# Altium PCB spd150.PcbDoc (part 5 of 16) (continued)
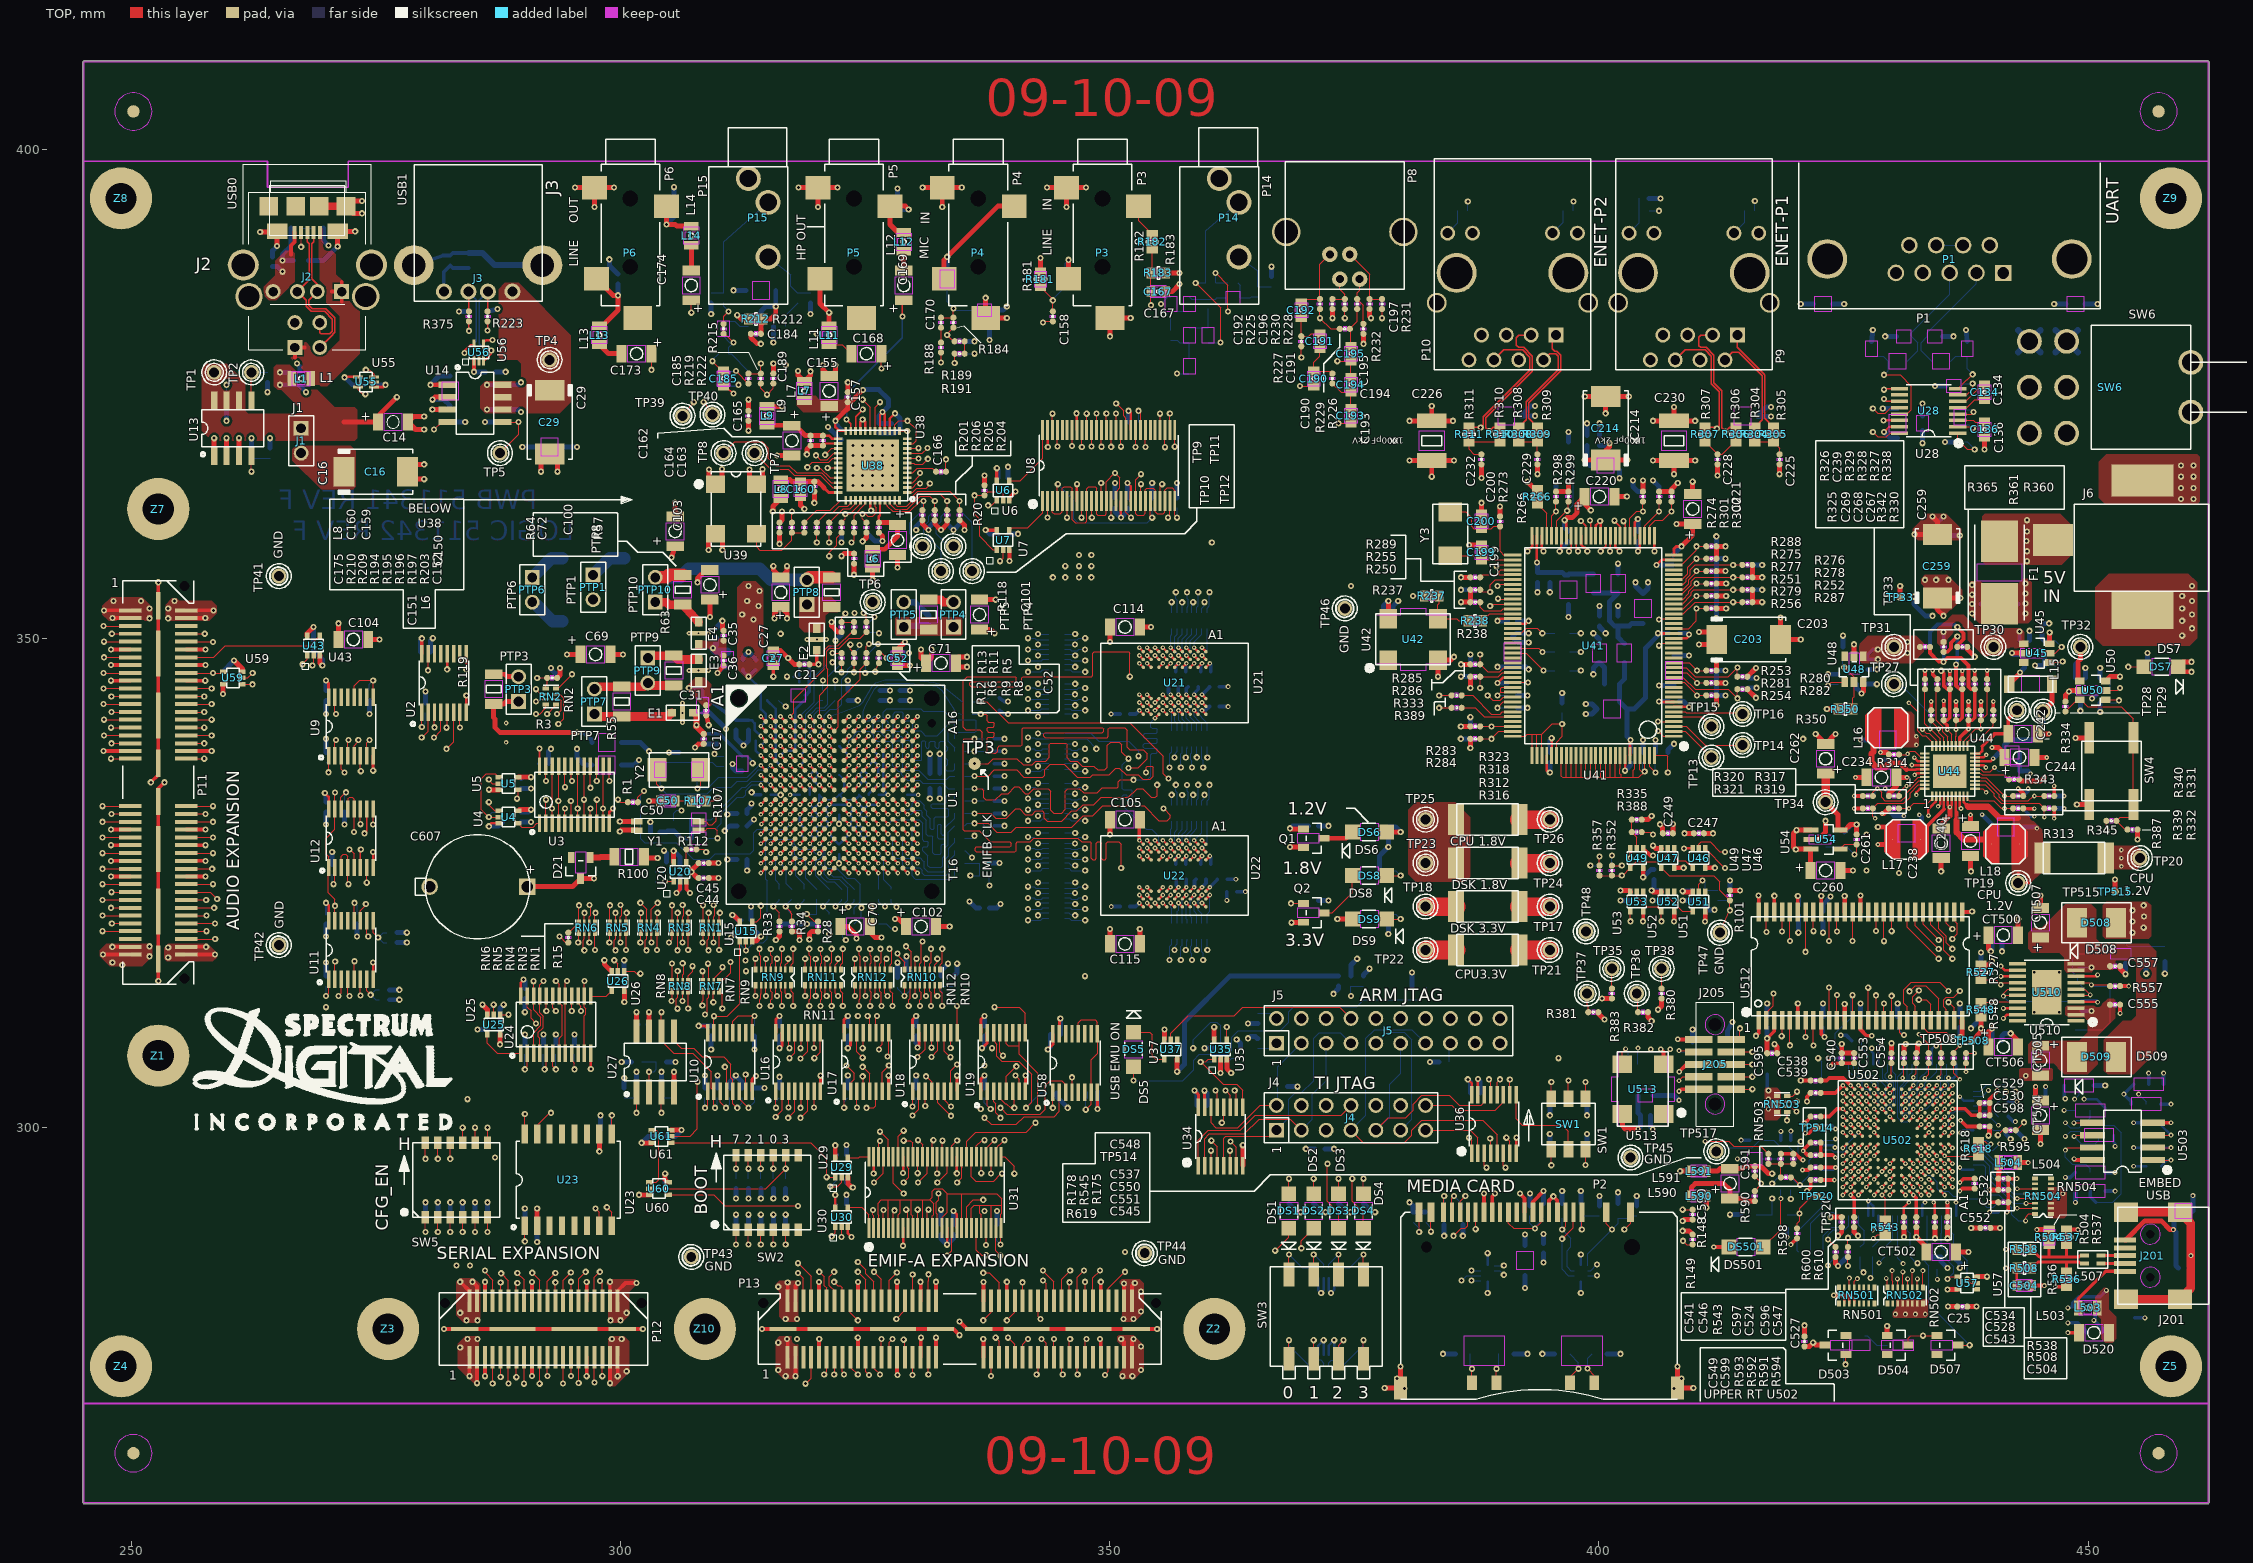
[diagram p0: TOP view]
## Nets (pads, with @x,y where several pads share a name; then routed paths per layer and width w, separated by ;. In a path a pad name is that pad's centre, name@x,y a point inside that pad or via, vN(x,y) a via of type N, cw(c..) or ccw(c..) an arc to the next point about the centre after c; other vN are vias at no path point) (continued)
  other v3: 430.301,280.924 431.317,280.924 432.333,280.924 433.349,280.924 447.421,293.243 417.322,301.879 417.322,302.895
DSK_3V3_SYS_OKAY: R353.1 R360.1 R362.1 TP32.1 U49.1 U50.1 | length 78.5
  TOP w0.381: U49.1@404.51,328.524 404.52,328.524 405.257,327.787 v1(405.511,327.787)
  TOP w0.508: R360.1@437.642,349.123 437.642,348.869 v1(438.404,348.107) ; U50.1@449.148,345.628 448.945,345.831 448.945,347.599 449.199,347.853 TP32.1@449.199,349.123
  LYR3-SIG w0.508: v1(405.511,327.787) 411.226,327.787 412.75,329.311 413.766,329.311 415.925,327.152 428.625,327.152 429.768,326.009 v1(430.657,326.009)
  LYR4-SIG w0.508: v1(430.657,326.009) 432.435,326.009 434.34,327.914 434.34,332.265 434.043,332.562 434.043,333.08 438.404,337.442 438.404,345.491 437.769,346.126 437.769,347.472 v1(438.404,348.107) 438.404,349.377 439.674,350.647 441.452,350.647 442.214,349.885 448.437,349.885 TP32.1@449.199,349.123
  BOTTOM w0.508: R362.1@437.642,349.123 437.642,348.869 v1(438.404,348.107) ; R353.1@448.691,345.948 448.691,347.345 449.199,347.853 TP32.1@449.199,349.123
DSP_EMU0: SW1.5 U1.J5 U36.4 | length 105.5
  TOP w0.127: v1(388.874,298.882) 388.93,298.826 U36.4@388.93,297.368 ; SW1.5@396.875,302.946 v1(396.875,304.8)
  TOP w0.254: v2(318.325,333.009) U1.J5@318.826,333.51
  LYR3-SIG w0.127: v1(388.874,298.882) 391.363,301.371 393.446,301.371 v1(396.875,304.8)
  LYR4-SIG w0.102: v2(318.325,333.009) 317.881,332.565 317.881,326.771 318.135,326.517 330.835,326.517
  LYR4-SIG w0.127: 330.835,326.517 332.613,326.517 334.645,324.485 334.645,323.342 335.788,322.199 336.804,322.199 357.505,301.498 362.331,301.498 366.522,297.307 387.299,297.307 v1(388.874,298.882)
DSP_EMU1: SW1.2 U36.9 | length 10.2
  TOP w0.127: U36.9@391.531,303.342 391.531,300.873 392.176,300.228 396.24,300.228 396.875,299.593 SW1.2@396.875,297.764
DSP_RTCK: R112.1 U36.12 | length 107.8
  TOP w0.127: R112.1@307.721,328.422 308.483,328.422 v1(308.737,328.168) ; U36.12@389.58,303.342 389.58,304.617 v1(389.89,304.927)
  LYR4-SIG w0.127: v1(308.737,328.168) 308.737,327.406 310.007,326.136 312.039,326.136 314.833,323.342 328.143,323.342 330.429,321.056 333.883,321.056 339.471,315.468 339.471,314.579 358.394,295.656 387.223,295.656 388.112,296.545 389.382,296.545 391.033,298.196 391.033,303.784 v1(389.89,304.927)
DSP_TCK: R107.1 R171.1 U1.H3 | length 73.3
  TOP w0.127: R107.1@308.737,333.375 309.499,333.375 v1(309.88,333.756)
  TOP w0.254: v2(316.324,335.011) U1.H3@316.824,334.51
  LYR4-SIG w0.102: 313.69,334.772 313.944,334.518 315.468,334.518 315.961,335.011 v2(316.324,335.011) 316.324,334.805 316.865,334.264 316.865,333.756 317.119,333.502 318.392,333.502 318.77,333.124 318.77,327.787 319.024,327.533 330.835,327.533
  LYR4-SIG w0.127: v1(309.88,333.756) 311.785,333.756 312.928,334.899 313.563,334.899 313.69,334.772 ; 330.835,327.533 332.359,327.533 351.79,308.102 v1(358.521,308.102)
  BOTTOM w0.127: v1(358.521,308.102) 358.521,308.991 360.299,310.769 360.934,310.769 361.315,310.388 361.315,308.737 R171.1@361.95,308.102
DSP_TDI: U1.J2 U34.4 | length 68.4
  TOP w0.127: v1(360.375,298.653) 360.375,298.628 360.99,298.013 U34.4@360.99,296.098
  TOP w0.254: v2(315.323,333.009) U1.J2@315.824,333.51
  LYR4-SIG w0.102: 315.092,325.501 314.833,325.76 314.833,332.519 v2(315.323,333.009)
  LYR4-SIG w0.127: 315.092,325.501 316.362,324.231 328.414,324.231 330.573,322.072 334.137,322.072 344.297,311.912 344.297,310.769 356.413,298.653 v1(360.375,298.653)
DSP_TDO: U1.J3 U36.7 | length 98.2
  TOP w0.127: v1(390.525,298.958) 390.881,298.602 U36.7@390.881,297.368
  TOP w0.254: v2(316.324,333.009) U1.J3@316.824,333.51
  LYR4-SIG w0.102: 315.976,325.501 315.849,325.628 315.849,332.534 v2(316.324,333.009)
  LYR4-SIG w0.127: 315.976,325.501 316.738,324.739 328.541,324.739 330.827,322.453 334.391,322.453 335.915,320.929 336.677,320.929 351.409,306.197 351.409,304.8 356.85,299.359 363.454,299.359 365.887,296.926 388.493,296.926 v1(390.525,298.958)
DSP_TMS: U1.J1 U34.7 | length 72.1
  TOP w0.127: v1(362.331,298.577) 362.941,297.967 U34.7@362.941,296.098
  TOP w0.254: v2(314.322,333.009) U1.J1@314.823,333.51
  LYR4-SIG w0.102: 313.69,326.078 314.267,325.501 ; 313.69,332.377 v2(314.322,333.009)
  LYR4-SIG w0.127: 313.69,326.078 313.69,330.327 313.055,330.962 313.055,331.742 313.69,332.377 ; 314.267,325.501 316.045,323.723 328.422,323.723 330.581,321.564 334.01,321.564 341.63,313.944 341.63,312.928 356.413,298.145 361.899,298.145 v1(362.331,298.577)
DSP_TRST#: U1.J4 U34.12 | length 64.9
  TOP w0.127: v1(361.442,300.482) 361.64,300.68 U34.12@361.64,302.072
  TOP w0.254: v2(317.325,333.009) U1.J4@317.825,333.51
  LYR4-SIG w0.102: 316.865,325.755 316.865,332.549 v2(317.325,333.009)
  LYR4-SIG w0.127: 316.865,325.755 317.373,325.247 328.668,325.247 331.14,322.776 334.703,322.776 335.915,321.564 336.804,321.564 357.886,300.482 v1(361.442,300.482)
DVDD: C78.2 C79.2 C80.2 C81.2 C82.2 C83.2 C84.2 C85.2 C86.2 C87.2 C88.2 C89.2 C90.2 C91.2 C92.2 C93.2 C94.2 C95.2 C96.2 C97.2 C98.2 C99.2 C100.1 C101.1 C102.1 C103.1 PTP1.1 R115.1 U1.B16 U1.E5 U1.E8 U1.E9 U1.E12 U1.F5 U1.F11 U1.F12 U1.G5 U1.G12 U1.K5 U1.K12 U1.L5 U1.L11 U1.L12 U1.M5 U1.M8 U1.M9 U1.M12 U1.R1 U1.R16 | length 53.6
  TOP w0.254: v2(314.322,327.005) U1.R1@314.823,327.505 ; v2(318.325,330.007) U1.M5@318.826,330.507 ; v2(318.325,331.008) U1.L5@318.826,331.508 ; v2(318.325,332.008) U1.K5@318.826,332.509 ; v2(318.325,336.012) U1.G5@318.826,335.511 ; v2(318.325,337.012) U1.F5@318.826,336.512 ; v2(318.325,338.013) U1.E5@318.826,337.513 ; v2(321.328,330.007) U1.M8@321.828,330.507 ; v2(321.328,338.013) U1.E8@321.828,337.513 ; U1.M9@322.829,330.507 v2(323.329,330.007) ; U1.E9@322.829,337.513 v2(323.329,338.013) ; U1.L11@324.83,331.508 v2(325.331,331.008) ; U1.F11@324.83,336.512 v2(325.331,337.012) ; U1.M12@325.831,330.507 v2(326.332,330.007) ; U1.L12@325.831,331.508 v2(326.332,331.008) ; U1.K12@325.831,332.509 v2(326.332,332.008) ; U1.G12@325.831,335.511 v2(326.332,336.012) ; U1.F12@325.831,336.512 v2(326.332,337.012) ; U1.E12@325.831,337.513 v2(326.332,338.013) ; U1.R16@329.834,327.505 v2(330.335,327.005) ; U1.B16@329.834,340.515 330.258,340.939 v2(330.258,341.015)
  TOP w0.508: v1(305.181,358.267) C103.1@305.562,359.41 ; v1(315.722,352.044) 315.722,352.552 C100.1@316.357,353.187 316.992,352.552 v1(316.992,352.044) ; v1(328.041,321.31) 328.422,321.31 C102.1@329.184,320.548 ; C101.1@336.677,350.901 337.82,350.901 v1(338.201,350.52)
  LYR9-PLN w0.635: 296.164,356.489 PTP1.1@297.18,356.489 ; 297.18,355.473 PTP1.1@297.18,356.489 ; 297.18,357.505 PTP1.1@297.18,356.489 ; 298.196,356.489 PTP1.1@297.18,356.489
  BOTTOM w0.254: C88.2@315.341,334.01 v1(316.357,334.01) ; v2(318.325,332.008) v2(318.325,331.008) 318.821,330.512 C96.2@318.821,330.505 318.821,330.502 v2(318.325,330.007) 318.818,329.514 C89.2@318.821,329.514 ; v2(318.325,337.012) 318.325,337.02 C97.2@318.821,337.515 ; v2(318.325,338.013) 318.328,338.013 C90.2@318.821,338.506 ; C86.2@321.818,330.505 321.818,330.497 v2(321.328,330.007) 321.328,329.928 C98.2@322.326,328.93 323.329,329.933 v2(323.329,330.007) 322.834,330.502 C83.2@322.834,330.505 ; C92.2@322.326,338.963 322.379,338.963 v2(323.329,338.013) ; v2(325.331,337.012) 325.354,337.012 C85.2@325.857,337.515 ; C91.2@325.831,338.531 325.831,338.513 v2(326.332,338.013) 325.857,337.538 C85.2@325.857,337.515 ; v2(326.332,336.012) v2(326.332,337.012) 325.857,337.487 C85.2@325.857,337.515
  BOTTOM w0.508: v1(312.928,326.263) C81.2@312.928,327.406 ; C94.2@312.928,330.835 313.563,331.47 v1(313.639,331.47) ; C99.2@323.215,343.662 v1(324.231,343.662) ; C79.2@326.517,343.662 v1(327.533,343.662) ; C78.2@328.549,343.662 v1(329.565,343.662) ; C84.2@331.597,336.169 C82.2@331.597,337.185 v1(331.597,338.201) ; v1(335.661,323.088) 336.296,322.453 C93.2@336.677,322.453
  BOTTOM w1.27: PTP1.1@297.18,356.489 298.894,358.203 R115.1@300.355,358.203
DX0: JP507.1 RN502.14 U502.E7 | length 41.1
  TOP w0.127: v3(430.502,284.533) 430.545,284.49 RN502.14@430.545,283.642
  TOP w0.254: U502.E7@430.931,296.702 v2(431.33,296.301)
  LYR3-SIG w0.102: v2(431.33,296.301) 431.571,296.301 432.778,297.508 438.224,297.508 438.277,297.561
  LYR3-SIG w0.127: 438.277,297.561 441.579,297.561 442.722,298.704 442.722,298.958 444.69,300.926 447.993,300.926 449.58,302.514 v3(449.58,302.895)
  LYR4-SIG w0.102: 428.688,290.957 428.688,291.274 430.149,292.735 430.149,295.12 v2(431.33,296.301)
  LYR4-SIG w0.127: 428.688,290.957 428.688,288.353 428.117,287.782 428.117,285.115 429.095,284.137 430.106,284.137 v3(430.502,284.533)
  BOTTOM w0.254: v3(449.58,302.895) 450.85,302.895 451.739,302.006 JP507.1@451.739,301.752
ECLKIN: R543.2 RN504.16 U511.47 | length 27.1
  TOP w0.127: v3(428.041,288.671) 428.422,289.052 R543.2@429.26,289.052 ; v3(443.611,290.449) 443.611,290.83 443.951,291.17 RN504.16@444.576,291.17
  LYR3-SIG w0.127: v3(428.041,288.671) 428.879,289.509 436.753,289.509 437.083,289.179 442.341,289.179 v3(443.611,290.449)
  BOTTOM w0.127: U511.47@438.277,294.201 439.237,294.201 439.433,294.005 439.433,293.418 439.722,293.129 440.87,293.129 442.214,291.785 442.214,291.084 442.849,290.449 v3(443.611,290.449)
EMIFA_A0: P13.55 RN9.11 | length 68.1
  TOP w0.127: v1(314.848,313.451) RN9.11@314.848,314.528 ; v1(342.519,274.752) 342.671,274.904 P13.55@342.671,276.53
  LYR8-SIG w0.127: v1(314.848,313.451) 314.833,313.436 314.833,311.721 317.64,308.915 334.193,308.915 336.169,306.939 336.169,305.562 339.344,302.387 339.344,299.55 338.709,298.915 338.709,298.493 339.471,297.731 339.471,295.064 337.65,293.243 336.974,293.243 336.55,292.819 336.55,277.368 339.166,274.752 v1(342.519,274.752)
EMIFA_A1: RN9.12 U31.21 | length 48
  TOP w0.127: v1(315.341,312.417) 315.346,313.06 315.468,313.182 315.468,313.822 315.346,313.944 RN9.12@315.346,314.528 ; U31.21@335.354,289.738 335.354,291.92 336.042,292.608 v1(337.058,292.608)
  LYR8-SIG w0.127: v1(315.341,312.417) 315.341,311.574 317.721,309.194 334.34,309.194 336.321,307.213 337.185,307.213 339.725,304.673 339.725,294.64 337.693,292.608 v1(337.058,292.608)
EMIFA_A2: RN9.13 U31.23 | length 52.6
  TOP w0.127: RN9.13@315.844,314.528 315.844,313.568 v1(315.976,313.436) ; U31.23@336.354,289.738 336.354,287.47 336.88,286.944 v1(337.363,286.944)
  LYR8-SIG w0.127: v1(315.976,313.436) 315.976,312.209 316.273,311.912 316.441,311.912 318.854,309.499 334.645,309.499 336.613,307.53 337.375,307.53 340.741,304.165 340.741,291.211 338.328,288.798 338.328,287.909 v1(337.363,286.944)
EMIFA_A3: P13.62 RN9.14 | length 74.9
  TOP w0.127: RN9.14@316.342,314.528 316.342,313.944 316.484,313.802 v1(316.484,312.42) ; P13.62@345.059,282.27 345.059,284.48 v1(345.948,285.369)
  LYR8-SIG w0.127: v1(316.484,312.42) 316.484,313.52 318.94,315.976 339.344,315.976 350.647,304.673 350.647,284.099 349.631,283.083 346.245,283.083 345.364,283.964 345.364,284.785 v1(345.948,285.369)
EMIFA_A4: P13.59 RN9.15 | length 60
  TOP w0.127: RN9.15@316.84,314.528 316.84,313.715 v1(317.119,313.436) ; P13.59@344.272,276.53 344.272,278.359 v1(344.297,278.384)
  LYR8-SIG w0.127: v1(317.119,313.436) 317.119,312.209 319.448,309.88 337.523,309.88 343.408,303.995 343.408,301.688 343.662,301.435 343.662,279.019 v1(344.297,278.384)
EMIFA_A5: P13.64 RN9.16 | length 68.4
  TOP w0.127: RN9.16@317.414,314.528 317.414,313.944 317.627,313.731 v1(317.627,312.42) ; P13.64@345.872,282.27 v1(345.872,284.175)
  LYR8-SIG w0.127: v1(317.627,312.42) 317.627,312.925 320.297,315.595 339.217,315.595 350.266,304.546 350.266,284.226 349.377,283.337 346.71,283.337 v1(345.872,284.175)
EMIFA_A6: P13.61 RN11.9 | length 62.4
  TOP w0.127: v1(318.856,313.436) RN11.9@318.856,314.528 ; P13.61@345.059,276.53 345.059,274.879 v1(345.186,274.752)
  LYR8-SIG w0.127: v1(318.856,313.436) 318.77,313.35 318.77,312.209 320.794,310.185 337.579,310.185 343.662,304.101 343.662,301.795 344.043,301.414 344.043,279.908 345.186,278.765 v1(345.186,274.752)
EMIFA_A7: P13.66 RN11.10 | length 67.3
  TOP w0.127: v1(319.278,312.42) 319.278,313.052 319.42,313.195 319.42,313.662 319.43,313.672 RN11.10@319.43,314.528 ; P13.66@346.659,282.27 346.659,284.683 v1(347.345,285.369)
  LYR8-SIG w0.127: v1(319.278,312.42) 319.405,312.547 319.405,313.647 320.972,315.214 339.09,315.214 349.885,304.419 349.885,284.32 349.283,283.718 347.261,283.718 346.964,284.015 346.964,284.988 v1(347.345,285.369)
EMIFA_A8: P13.63 RN11.11 | length 58.4
  TOP w0.127: v1(319.928,313.451) RN11.11@319.928,314.528 ; P13.63@345.872,276.53 345.872,278.308 v1(345.948,278.384)
  LYR8-SIG w0.127: v1(319.928,313.451) 319.913,313.436 319.913,312.207 321.605,310.515 337.609,310.515 344.373,303.751 344.373,302.522 344.678,302.217 344.678,301.795 344.424,301.541 344.424,279.908 v1(345.948,278.384)
EMIFA_A9: P13.68 RN11.12 | length 60.8
  TOP w0.127: v1(320.421,312.417) 320.426,313.06 320.548,313.182 320.548,313.822 320.426,313.944 RN11.12@320.426,314.528 ; P13.68@347.472,282.27 v1(347.472,284.226)
  LYR8-SIG w0.127: v1(320.421,312.417) 320.548,312.544 320.548,313.647 321.734,314.833 339.016,314.833 349.504,304.345 349.504,285.158 349.08,284.734 347.98,284.734 v1(347.472,284.226)
EMIFA_A10: P13.65 RN11.13 | length 61.3
  TOP w0.127: RN11.13@320.924,314.528 320.924,313.568 v1(321.056,313.436) ; P13.65@346.659,276.53 346.659,274.803 v1(346.71,274.752)
  LYR8-SIG w0.127: v1(321.056,313.436) 321.056,312.209 322.369,310.896 337.589,310.896 344.678,303.807 344.678,302.577 344.932,302.323 344.932,301.688 344.805,301.561 344.805,282.651 346.71,280.746 v1(346.71,274.752)
EMIFA_A11: P13.70 RN11.14 | length 57.9
  TOP w0.127: RN11.14@321.422,314.528 321.422,313.944 321.564,313.802 v1(321.564,312.42) ; P13.70@348.259,282.27 348.259,284.632 v1(348.996,285.369)
  LYR8-SIG w0.127: v1(321.564,312.42) 321.564,313.52 322.496,314.452 338.91,314.452 348.996,304.366 348.996,302.45 349.24,302.207 349.24,301.668 348.996,301.424 v1(348.996,285.369)
EMIFA_A12: P13.67 RN11.15 | length 57.2
  TOP w0.127: RN11.15@321.92,314.528 321.92,313.715 v1(322.199,313.436) ; P13.67@347.472,276.53 347.472,278.257 v1(347.599,278.384)
  LYR8-SIG w0.127: v1(322.199,313.436) 322.722,313.959 335.349,313.959 345.186,304.122 345.186,301.582 345.11,301.506 345.11,283.667 347.599,281.178 v1(347.599,278.384)
EMIFA_BA0: P13.56 RN9.9 | length 69
  TOP w0.127: v1(313.776,313.436) RN9.9@313.776,314.528 ; P13.56@342.671,282.27 342.671,280.645 v1(342.9,280.416)
  LYR4-SIG w0.127: v1(313.776,313.436) 313.944,313.436 314.833,312.547 314.833,309.88 315.595,309.118 315.595,303.022 315.29,302.717 315.29,300.025 316.103,299.212 316.103,287.02 315.595,286.512 315.595,283.507 316.7,282.402 319.603,282.402 327.939,274.066 329.946,274.066 330.581,274.701 330.581,275.844 331.343,276.606 339.09,276.606 v1(342.9,280.416)
EMIFA_BA1: P13.58 RN9.10 | length 77.8
  TOP w0.127: v1(314.198,312.42) 314.198,313.052 314.34,313.195 314.34,313.662 314.35,313.672 RN9.10@314.35,314.528 ; v1(343.154,284.353) 343.484,284.023 P13.58@343.484,282.27
  LYR4-SIG w0.127: v1(314.198,312.42) 314.198,310.007 315.341,308.864 315.341,303.403 315.036,303.098 315.036,283.515 316.738,281.813 319.278,281.813 326.009,275.082 326.009,274.447 326.771,273.685 330.327,273.685 330.937,274.295 330.937,275.331 331.45,275.844 343.027,275.844 344.805,277.622 344.805,282.702 v1(343.154,284.353)
EMIFA_CLK: R78.2 U19.7 | length 26.6
  TOP w0.127: v1(340.36,305.308) 340.716,304.952 U19.7@340.716,303.718
  LYR4-SIG w0.127: v1(328.041,320.294) 328.676,319.659 332.613,319.659 341.122,311.15 341.122,306.07 v1(340.36,305.308)
  BOTTOM w0.127: R78.2@326.39,320.802 327.152,320.802 327.66,320.294 v1(328.041,320.294)
EMIFA_CS0N: R69.2 U19.9 | length 29.3
  TOP w0.127: v1(338.201,312.293) 340.741,312.293 341.366,311.668 U19.9@341.366,309.692
  LYR4-SIG w0.127: v1(323.266,322.555) 323.266,319.71 323.596,319.38 323.596,318.559 323.266,318.229 323.266,316.814 324.231,315.849 334.645,315.849 v1(338.201,312.293)
  BOTTOM w0.127: v1(323.266,322.555) 323.85,323.139 R69.2@323.85,323.342
EMIFA_CS2N: P13.49 U15.4 | length 69
  TOP w0.127: U15.4@313.451,321.031 313.919,321.031 314.325,321.437 v1(314.325,322.656) ; v1(339.598,278.511) 340.284,277.825 P13.49@340.284,276.53
  LYR4-SIG w0.127: v1(314.325,322.656) 314.757,323.088 317.119,323.088 317.627,322.58 317.627,319.024 318.262,318.389 318.262,317.119 320.675,314.706 333.248,314.706 335.153,312.801 335.153,287.292 336.796,285.648 337.269,285.648 338.328,284.589 338.328,279.781 v1(339.598,278.511)
EMIFA_CS3N: R75.2 U58.4 | length 40.9
  TOP w0.127: U58.4@346.131,303.591 v1(346.131,305.125)
  LYR3-SIG w0.127: v1(337.185,306.324) 339.344,304.165 343.281,304.165 344.241,305.125 v1(346.131,305.125)
  LYR4-SIG w0.127: v1(321.945,322.58) 321.945,319.024 322.199,318.77 322.199,317.965 322.707,317.457 322.707,316.738 323.977,315.468 333.375,315.468 336.296,312.547 336.296,307.213 v1(337.185,306.324)
  BOTTOM w0.127: v1(321.945,322.58) 322.58,323.215 R75.2@322.58,323.342
EMIFA_CS4N: R76.2 U31.25 | length 67
  TOP w0.127: v1(337.353,287.995) U31.25@337.353,289.738
  LYR3-SIG w0.127: v1(337.353,287.995) 337.947,287.401 351.409,287.401 v1(351.536,287.274)
  LYR8-SIG w0.127: v1(336.169,329.819) 337.464,329.819 339.598,327.685 339.598,318.643 351.028,307.213 351.028,287.782 v1(351.536,287.274)
  BOTTOM w0.127: R76.2@335.153,329.565 335.915,329.565 v1(336.169,329.819)
EMIFA_CS5N: R77.2 U31.27 | length 54.8
  TOP w0.127: U31.27@338.353,289.738 338.328,289.712 338.328,287.401 v1(338.836,286.893)
  LYR4-SIG w0.127: v1(324.612,322.453) 324.612,318.727 324.866,318.473 324.866,318.097 325.628,317.335 325.628,316.608 326.133,316.103 335.407,316.103 339.725,311.785 339.725,305.562 336.232,302.07 336.232,294.577 337.82,292.989 337.82,288.925 338.074,288.671 338.074,287.655 v1(338.836,286.893)
  BOTTOM w0.127: R77.2@323.85,320.802 324.612,321.564 v1(324.612,322.453)
EMIFA_D0: R67.2 R68.2 RN10.1 U31.2 | length 28.5
  TOP w0.127: v1(325.78,291.567) 325.78,291.084 325.857,291.008 U31.2@325.857,289.738 ; v1(329.016,313.436) RN10.1@329.016,314.528
  LYR4-SIG w0.127: v1(325.78,291.567) 325.78,293.522 327.279,295.021 327.279,302.514 328.041,303.276 328.041,311.531 328.422,311.912 328.422,312.842 v1(329.016,313.436)
  BOTTOM w0.127: R67.2@328.295,314.325 328.295,314.157 v1(329.016,313.436) 329.565,313.985 R68.2@329.565,314.325
EMIFA_D1: RN10.2 U31.4 | length 25.9
  TOP w0.127: U31.4@326.857,289.738 v1(326.857,291.551) ; v1(329.438,312.42) 329.438,313.052 329.58,313.195 329.58,313.662 329.59,313.672 RN10.2@329.59,314.528
  LYR4-SIG w0.127: v1(326.857,291.551) 327.66,292.354 327.66,302.006 328.295,302.641 328.295,311.277 v1(329.438,312.42)
EMIFA_D2: RN10.3 U31.6 | length 25.7
  TOP w0.127: U31.6@327.856,289.738 327.856,291.407 v1(327.983,291.534) ; v1(330.088,313.451) RN10.3@330.088,314.528
  LYR4-SIG w0.127: v1(327.983,291.534) 327.983,300.932 328.549,301.498 328.549,310.769 330.073,312.293 330.073,313.436 v1(330.088,313.451)
EMIFA_D3: RN10.4 U31.9 | length 26.5
  TOP w0.127: v1(329.184,291.592) 329.357,291.419 U31.9@329.357,289.738 ; v1(330.581,312.417) 330.586,313.06 330.708,313.182 330.708,313.822 330.586,313.944 RN10.4@330.586,314.528
  LYR4-SIG w0.127: v1(329.184,291.592) 328.295,292.481 328.295,300.482 328.803,300.99 328.803,309.118 330.835,311.15 330.835,311.785 330.581,312.039 v1(330.581,312.417)
EMIFA_D4: RN10.5 U31.11 | length 25.7
  TOP w0.127: U31.11@330.355,289.738 v1(330.355,291.592) ; RN10.5@331.084,314.528 331.084,313.568 v1(331.216,313.436)
  LYR4-SIG w0.127: v1(330.355,291.592) 330.355,292.89 331.089,293.624 331.089,300.99 331.724,301.625 331.724,306.324 331.089,306.959 331.089,313.309 v1(331.216,313.436)
EMIFA_D5: RN10.6 U31.13 | length 25.5
  TOP w0.127: U31.13@331.356,289.738 331.356,291.478 v1(331.47,291.592) ; RN10.6@331.582,314.528 331.582,313.944 331.724,313.802 v1(331.724,312.42)
  LYR4-SIG w0.127: v1(331.47,291.592) 331.445,291.617 331.445,299.695 332.288,300.538 332.288,311.856 v1(331.724,312.42)
EMIFA_D6: RN10.7 U31.15 | length 26
  TOP w0.127: RN10.7@332.08,314.528 332.08,313.715 v1(332.359,313.436) ; U31.15@332.354,289.738 332.354,291.132 332.232,291.254 332.232,292.354 332.486,292.608 v1(332.486,293.243)
  LYR4-SIG w0.127: v1(332.359,313.436) 332.359,312.166 332.74,311.785 332.74,299.847 333.502,299.085 333.502,294.259 v1(332.486,293.243)
EMIFA_D7: R70.1 R71.1 RN10.8 U31.18 | length 35.2
  TOP w0.127: RN10.8@332.654,314.528 332.654,313.944 332.867,313.731 v1(332.867,312.42) ; v1(333.375,286.893) 333.863,287.381 333.863,288.226 333.855,288.234 U31.18@333.855,289.738
  LYR4-SIG w0.127: v1(332.867,312.42) 332.994,312.293 332.994,301.117 333.756,300.355 333.756,293.37 333.375,292.989 333.375,289.814 334.01,289.179 334.01,287.528 v1(333.375,286.893)
  BOTTOM w0.127: v1(332.867,312.42) 332.867,313.817 332.74,313.944 R70.1@332.74,314.452 R71.1@334.01,314.452
EMIFA_D8: RN12.1 U16.4 | length 19.9
  TOP w0.127: v1(317.119,300.99) 317.81,301.681 U16.4@317.81,303.718 ; v1(323.936,313.436) RN12.1@323.936,314.528
  LYR4-SIG w0.127: v1(317.119,300.99) 317.754,301.625 317.754,304.419 319.151,305.816 319.151,308.356 322.072,311.277 322.072,312.547 322.961,313.436 v1(323.936,313.436)
EMIFA_D9: RN12.2 U16.7 | length 16.2
  TOP w0.127: v1(319.761,302.031) U16.7@319.761,303.718 ; v1(324.358,312.42) 324.358,313.052 324.5,313.195 324.5,313.662 324.51,313.672 RN12.2@324.51,314.528
  LYR4-SIG w0.127: v1(319.761,302.031) 321.056,303.327 321.056,307.213 323.723,309.88 323.723,311.785 v1(324.358,312.42)
EMIFA_D10: RN12.3 U16.9 | length 12.8
  TOP w0.127: v1(319.786,307.086) 320.411,307.711 U16.9@320.411,309.692 ; v1(325.008,313.451) RN12.3@325.008,314.528
  LYR4-SIG w0.127: v1(319.786,307.086) 322.58,309.88 322.58,311.531 323.596,312.547 323.766,312.547 324.274,313.055 324.612,313.055 v1(325.008,313.451)
EMIFA_D11: RN12.4 U16.12 | length 16.9
  TOP w0.127: v1(318.389,308.102) 318.46,308.173 U16.12@318.46,309.692 ; v1(325.501,312.417) 325.506,313.06 325.628,313.182 325.628,313.822 325.506,313.944 RN12.4@325.506,314.528
  LYR4-SIG w0.127: v1(318.389,308.102) 319.913,309.626 319.913,312.674 320.548,313.309 320.548,313.69 320.929,314.071 325.247,314.071 325.516,313.802 325.516,312.433 v1(325.501,312.417)
EMIFA_D12: RN12.5 U18.4 | length 13.2
  TOP w0.127: RN12.5@326.004,314.528 326.004,313.568 v1(326.136,313.436) ; v1(331.216,305.232) 331.78,304.668 U18.4@331.78,303.718
  LYR3-SIG w0.127: v1(326.136,313.436) 326.136,312.191 329.057,309.27 329.057,307.391 v1(331.216,305.232)
EMIFA_D13: RN12.6 U18.7 | length 16.2
  TOP w0.127: RN12.6@326.502,314.528 326.502,313.944 326.644,313.802 v1(326.644,312.42) ; U18.7@333.731,303.718 333.731,305.791 v1(334.391,306.451)
  LYR3-SIG w0.127: v1(326.644,312.42) 329.715,309.349 330.096,309.349 330.962,308.483 330.962,307.086 331.597,306.451 v1(334.391,306.451)
EMIFA_D14: RN12.7 U18.9 | length 12
  TOP w0.127: RN12.7@327,314.528 327,313.715 v1(327.279,313.436) ; U18.9@334.381,309.692 v1(334.381,312.41)
  LYR4-SIG w0.127: v1(327.279,313.436) 327.914,314.071 332.72,314.071 v1(334.381,312.41)
EMIFA_D15: RN12.8 U18.12 | length 11.8
  TOP w0.127: RN12.8@327.574,314.528 327.574,313.944 327.787,313.731 v1(327.787,312.42) ; v1(331.775,307.213) 332.43,307.868 U18.12@332.43,309.692
  LYR3-SIG w0.127: v1(327.787,312.42) 331.216,308.991 331.216,307.772 v1(331.775,307.213)
EMIFA_OEN: R80.2 U17.12 | length 12.9
  TOP w0.127: v1(325.247,311.404) 325.445,311.206 U17.12@325.445,309.692
  LYR7-SIG w0.127: v1(323.012,319.151) 323.342,318.821 323.342,316.357 325.628,314.071 325.628,313.182 326.009,312.801 326.009,312.166 v1(325.247,311.404)
  BOTTOM w0.127: R80.2@322.58,320.802 322.58,320.675 322.707,320.548 322.707,319.456 v1(323.012,319.151)
EMIFA_SDCKE: P13.37 R79.2 | length 82.1
  TOP w0.127: v1(331.445,274.752) P13.37@331.445,276.53
  LYR4-SIG w0.127: v1(327.025,322.58) 327.787,321.818 328.803,321.818 329.946,320.675 332.74,320.675 350.139,303.276 350.139,274.447 349.631,273.939 332.257,273.939 v1(331.445,274.752)
  BOTTOM w0.127: R79.2@326.39,323.342 326.39,323.088 326.898,322.58 v1(327.025,322.58)
EMIFA_WAIT0: P13.50 R65.2 R66.2 | length 60.5
  TOP w0.127: v1(339.471,280.289) 340.284,281.102 P13.50@340.284,282.27
  LYR4-SIG w0.127: v1(320.675,322.58) 320.675,319.532 321.056,319.151 321.056,317.965 321.564,317.457 321.564,316.992 323.469,315.087 333.375,315.087 335.47,312.991 335.47,287.464 336.931,286.004 337.439,286.004 338.836,284.607 338.836,280.924 v1(339.471,280.289)
  BOTTOM w0.127: R65.2@321.31,321.818 321.31,321.945 v1(320.675,322.58) 321.31,323.215 R66.2@321.31,323.342
EMIFA_WEN: R81.2 R82.2 R85.1 U17.9 | length 28.2
  TOP w0.127: v1(327.279,307.264) 327.396,307.381 U17.9@327.396,309.692
  LYR7-SIG w0.127: v1(327.279,307.264) 327.279,307.34 329.692,309.753 329.692,311.785 330.073,312.166 330.073,312.674 330.606,313.207 330.606,314.731 331.749,315.874 331.749,317.398 332.232,317.881 332.232,322.199 335.737,325.704 v1(335.737,325.755)
  BOTTOM w0.127: R82.2@335.153,327.025 R85.1@336.677,327.025 R81.2@336.677,325.755 v1(335.737,325.755)
EMIFA_WEN_DQM0: R86.2 U17.4 | length 31.7
  TOP w0.127: v1(324.739,305.232) 324.739,305.181 324.795,305.125 U17.4@324.795,303.718
  LYR7-SIG w0.127: v1(324.739,305.232) 325.323,305.816 327.617,305.816 328.676,306.875 328.676,307.34 333.375,312.039 333.375,315.595 332.867,316.103 332.867,316.992 336.296,320.421 336.296,327.203 v1(335.915,327.584)
  BOTTOM w0.127: R86.2@335.153,328.295 335.204,328.295 v1(335.915,327.584)
EMIFA_WEN_DQM1: R87.2 U17.7 | length 22.3
  TOP w0.127: U17.7@326.746,303.718 326.746,305.664 v1(327.406,306.324)
  LYR7-SIG w0.127: v1(327.406,306.324) 326.771,306.959 326.771,307.518 328.295,309.042 328.295,314.071 329.717,315.493 329.717,321.031 v1(328.193,322.555)
  BOTTOM w0.127: R87.2@327.66,323.342 327.66,322.961 328.066,322.555 v1(328.193,322.555)
EMIFB_A0: RN14.6 U21.H7 U22.H7 | length 54.7
  TOP w0.254: v2(353.817,324.556) U22.H7@354.218,324.155 ; v2(353.817,344.241) U21.H7@354.218,343.84
  LYR4-SIG w0.102: v2(353.817,344.241) 354.211,343.847 354.211,343.281 354.457,343.035 354.782,343.035 355.011,342.806 355.011,342.489 355.473,342.026 355.473,341.63
  LYR4-SIG w0.127: v1(347.475,337.566) 347.983,337.058 347.983,337.055 348.615,336.423 348.615,335.026 348.869,334.772 351.663,334.772 351.917,335.026 351.917,335.915 352.552,336.55 352.552,337.185 352.806,337.439 355.092,337.439 355.473,337.82 355.473,340.309 355.346,340.436 355.092,340.436 354.965,340.309 354.965,338.201 354.838,338.074 354.584,338.074 354.457,338.201 354.457,340.817 354.584,340.944 355.346,340.944 355.473,341.071 355.473,341.63
  LYR7-SIG w0.102: 352.425,329.819 353.169,329.819 353.423,329.565 353.423,327.152 353.695,326.88 353.695,326.263 353.423,325.991 353.423,325.628 353.817,325.234 v2(353.817,324.556)
  LYR7-SIG w0.127: v1(347.475,337.566) 347.98,337.566 348.869,336.677 348.869,333.629 349.123,333.375 350.139,333.375 350.523,332.991 350.523,332.296 350.396,332.168 349.885,332.168 349.758,332.041 349.758,331.787 349.885,331.661 350.396,331.661 350.523,331.534 350.523,331.279 350.396,331.152 349.885,331.152 349.758,331.025 349.758,330.772 349.885,330.644 350.396,330.644 350.523,330.517 350.523,329.735 350.52,329.733 350.52,329.057 350.901,328.676 350.901,327.279 351.155,327.025 351.79,327.025 352.044,327.279 352.044,329.565 352.298,329.819 352.425,329.819
  BOTTOM w0.127: RN14.6@345.366,337.708 345.951,337.708 346.093,337.566 v1(347.475,337.566)

## Text inside footprints (layer, text, board x,y; h text height)
R171: PIN_NUMBER "2" at 361.747,309.118 h0.51 r270; PIN_NUMBER "1" at 361.747,308.102 h0.51 r270; ASSEMBLY_BOTTOM "33" at 361.95,308.61 h0.64 r270; ASSEMBLY_BOTTOM "TOLERANCE" at 359.41,308.61 h0.64 r270; ASSEMBLY_BOTTOM "USERPART#" at 358.14,308.61 h0.64 r270; SYMBOL_PART_DIM "PAD 35X32 OV" at 357.175,305.486 h0.64 r270; SYMBOL_PART_DIM "C402-35X32" at 358.445,305.486 h0.64 r270; SYMBOL_PART_DIM "0" at 359.816,308.407 h0.64 r270; SYMBOL_PART_DIM "0" at 361.62,306.273 h0.64 r270
R172: PIN_NUMBER "2" at 415.646,291.084 h1.02 r180; PIN_NUMBER "1" at 414.122,291.084 h1.02 r180; SYMB_DIM "0" at 411.607,291.592 h1.02 r180; SYMB_DIM "0" at 414.782,294.64 h1.02 r180; SYMB_DIM "R603-35X45" at 409.956,286.258 h1.02 r180; SYMB_DIM "SP  35X45OV" at 419.989,292.481 h1.02 r180; SYMB_DIM "SM  43X53OV" at 419.989,290.703 h1.02 r180; SYMB_DIM "PAD 35X45OV" at 419.989,289.179 h1.02 r180; ASSEMBLY_BOTTOM "X" at 416.306,291.465 h1.02 r180; ASSEMBLY_BOTTOM "X" at 415.417,291.465 h1.02 r180; ASSEMBLY_BOTTOM "1.5K" at 414.655,291.465 h1.02 r180
R173: PIN_NUMBER "2" at 381.991,314.325 h1.02 r180; PIN_NUMBER "1" at 380.467,314.325 h1.02 r180; SYMB_DIM "0" at 377.952,314.833 h1.02 r180; SYMB_DIM "0" at 381.127,317.881 h1.02 r180; SYMB_DIM "R603-35X45" at 376.301,309.499 h1.02 r180; SYMB_DIM "SP  35X45OV" at 386.334,315.722 h1.02 r180; SYMB_DIM "SM  43X53OV" at 386.334,313.944 h1.02 r180; SYMB_DIM "PAD 35X45OV" at 386.334,312.42 h1.02 r180; ASSEMBLY_BOTTOM "X" at 382.651,314.706 h1.02 r180; ASSEMBLY_BOTTOM "X" at 381.762,314.706 h1.02 r180; ASSEMBLY_BOTTOM "150" at 381,314.706 h1.02 r180
R174: PIN_NUMBER "1" at 374.447,314.452 h0.51 r270; PIN_NUMBER "2" at 374.447,315.468 h0.51 r270; ASSEMBLY_BOTTOM "10K" at 374.65,314.96 h0.64 r270; ASSEMBLY_BOTTOM "TOLERANCE" at 372.11,314.96 h0.64 r270; ASSEMBLY_BOTTOM "USERPART#" at 370.84,314.96 h0.64 r270; SYMBOL_PART_DIM "PAD 35X32 OV" at 369.875,311.836 h0.64 r270; SYMBOL_PART_DIM "C402-35X32" at 371.145,311.836 h0.64 r270; SYMBOL_PART_DIM "0" at 372.516,314.757 h0.64 r270; SYMBOL_PART_DIM "0" at 374.32,312.623 h0.64 r270
R175: PIN_NUMBER "1" at 419.659,296.291 h0.51 r90; PIN_NUMBER "2" at 419.659,297.307 h0.51 r90; ASSEMBLY_TOP "10K" at 419.862,296.799 h0.64 r90; ASSEMBLY_TOP "TOLERANCE" at 422.402,296.799 h0.64 r90; ASSEMBLY_TOP "USERPART#" at 423.672,296.799 h0.64 r90; SYMBOL_PART_DIM "PAD 35X32 OV" at 424.637,293.675 h0.64 r90; SYMBOL_PART_DIM "C402-35X32" at 423.367,293.675 h0.64 r90; SYMBOL_PART_DIM "0" at 421.996,296.596 h0.64 r90; SYMBOL_PART_DIM "0" at 420.192,294.462 h0.64 r90
R176: PIN_NUMBER "1" at 364.922,311.658 h0.51 r90; PIN_NUMBER "2" at 364.922,310.642 h0.51 r90; ASSEMBLY_BOTTOM "0" at 365.125,311.15 h0.64 r90; ASSEMBLY_BOTTOM "TOLERANCE" at 367.665,311.15 h0.64 r90; ASSEMBLY_BOTTOM "USERPART#" at 368.935,311.15 h0.64 r90; SYMBOL_PART_DIM "PAD 35X32 OV" at 369.9,314.274 h0.64 r90; SYMBOL_PART_DIM "C402-35X32" at 368.63,314.274 h0.64 r90; SYMBOL_PART_DIM "0" at 367.259,311.353 h0.64 r90; SYMBOL_PART_DIM "0" at 365.455,313.487 h0.64 r90
R177: PIN_NUMBER "1" at 364.922,308.102 h0.51 r270; PIN_NUMBER "2" at 364.922,309.118 h0.51 r270; ASSEMBLY_BOTTOM "0" at 365.125,308.61 h0.64 r270; ASSEMBLY_BOTTOM "TOLERANCE" at 362.585,308.61 h0.64 r270; ASSEMBLY_BOTTOM "USERPART#" at 361.315,308.61 h0.64 r270; SYMBOL_PART_DIM "PAD 35X32 OV" at 360.35,305.486 h0.64 r270; SYMBOL_PART_DIM "C402-35X32" at 361.62,305.486 h0.64 r270; SYMBOL_PART_DIM "0" at 362.991,308.407 h0.64 r270; SYMBOL_PART_DIM "0" at 364.795,306.273 h0.64 r270
R178: PIN_NUMBER "1" at 417.119,297.307 h0.51 r270; PIN_NUMBER "2" at 417.119,296.291 h0.51 r270; ASSEMBLY_TOP "NO-POP" at 417.322,296.799 h0.64 r270; ASSEMBLY_TOP "TOLERANCE" at 414.782,296.799 h0.64 r270; ASSEMBLY_TOP "USERPART#" at 413.512,296.799 h0.64 r270; SYMBOL_PART_DIM "PAD 35X32 OV" at 412.547,299.923 h0.64 r270; SYMBOL_PART_DIM "C402-35X32" at 413.817,299.923 h0.64 r270; SYMBOL_PART_DIM "0" at 415.188,297.002 h0.64 r270; SYMBOL_PART_DIM "0" at 416.992,299.136 h0.64 r270
R179: PIN_NUMBER "2" at 383.464,306.705 h0.51; PIN_NUMBER "1" at 384.48,306.705 h0.51; ASSEMBLY_BOTTOM "10K" at 384.175,306.705 h0.64; ASSEMBLY_BOTTOM "TOLERANCE" at 384.175,304.165 h0.64; ASSEMBLY_BOTTOM "USERPART#" at 384.175,302.895 h0.64; SYMBOL_PART_DIM "PAD 35X32 OV" at 387.299,301.93 h0.64; SYMBOL_PART_DIM "C402-35X32" at 387.299,303.2 h0.64; SYMBOL_PART_DIM "0" at 384.378,304.571 h0.64; SYMBOL_PART_DIM "0" at 386.512,306.375 h0.64
R180: PIN_NUMBER "2" at 345.034,385.953 h1.02 r90; PIN_NUMBER "1" at 345.034,387.477 h1.02 r90; SYMB_DIM "0" at 345.948,390.398 h1.02 r90; SYMB_DIM "0" at 348.996,387.223 h1.02 r90; SYMB_DIM "R603-35X45" at 340.614,392.049 h1.02 r90; SYMB_DIM "SP  35X45OV" at 346.837,382.016 h1.02 r90; SYMB_DIM "SM  43X53OV" at 345.059,382.016 h1.02 r90; SYMB_DIM "PAD 35X45OV" at 343.535,382.016 h1.02 r90; ASSEMBLY_BOTTOM "X" at 345.821,385.699 h1.02 r90; ASSEMBLY_BOTTOM "X" at 345.821,386.588 h1.02 r90; ASSEMBLY_BOTTOM "5.6K" at 345.821,387.35 h1.02 r90
R181: PIN_NUMBER "1" at 342.494,385.953 h1.02 r90; PIN_NUMBER "2" at 342.494,387.477 h1.02 r90; ASSEMBLY_TOP "X" at 343.281,387.731 h1.02 r90; ASSEMBLY_TOP "X" at 343.281,386.842 h1.02 r90; ASSEMBLY_TOP "5.6K" at 343.281,386.08 h1.02 r90; SYMB_DIM "0" at 343.408,383.032 h1.02 r90; SYMB_DIM "0" at 346.456,386.207 h1.02 r90; SYMB_DIM "R603-35X45" at 338.074,381.381 h1.02 r90; SYMB_DIM "SP  35X45OV" at 344.297,391.414 h1.02 r90; SYMB_DIM "SM  43X53OV" at 342.519,391.414 h1.02 r90; SYMB_DIM "PAD 35X45OV" at 340.995,391.414 h1.02 r90
R182: PIN_NUMBER "2" at 353.924,389.763 h1.02 r270; PIN_NUMBER "1" at 353.924,391.287 h1.02 r270; ASSEMBLY_TOP "X" at 353.949,389.509 h1.02 r270; ASSEMBLY_TOP "X" at 353.949,390.398 h1.02 r270; ASSEMBLY_TOP "5.6K" at 353.949,391.16 h1.02 r270; SYMB_DIM "0" at 353.822,394.208 h1.02 r270; SYMB_DIM "0" at 350.774,391.033 h1.02 r270; SYMB_DIM "R603-35X45" at 359.156,395.859 h1.02 r270; SYMB_DIM "SP  35X45OV" at 352.933,385.826 h1.02 r270; SYMB_DIM "SM  43X53OV" at 354.711,385.826 h1.02 r270; SYMB_DIM "PAD 35X45OV" at 356.235,385.826 h1.02 r270
R183: PIN_NUMBER "1" at 353.797,387.35 h1.02; PIN_NUMBER "2" at 355.321,387.35 h1.02; ASSEMBLY_TOP "X" at 355.981,386.969 h1.02; ASSEMBLY_TOP "X" at 355.092,386.969 h1.02; ASSEMBLY_TOP "5.6K" at 354.33,386.969 h1.02; SYMB_DIM "0" at 351.282,386.842 h1.02; SYMB_DIM "0" at 354.457,383.794 h1.02; SYMB_DIM "R603-35X45" at 349.631,392.176 h1.02; SYMB_DIM "SP  35X45OV" at 359.664,385.953 h1.02; SYMB_DIM "SM  43X53OV" at 359.664,387.731 h1.02; SYMB_DIM "PAD 35X45OV" at 359.664,389.255 h1.02
R184: PIN_NUMBER "1" at 333.807,382.778 h0.51 r270; PIN_NUMBER "2" at 333.807,381.762 h0.51 r270; ASSEMBLY_TOP "330" at 334.01,382.27 h0.64 r270; ASSEMBLY_TOP "TOLERANCE" at 331.47,382.27 h0.64 r270; ASSEMBLY_TOP "USERPART#" at 330.2,382.27 h0.64 r270; SYMBOL_PART_DIM "PAD 35X32 OV" at 329.235,385.394 h0.64 r270; SYMBOL_PART_DIM "C402-35X32" at 330.505,385.394 h0.64 r270; SYMBOL_PART_DIM "0" at 331.876,382.473 h0.64 r270; SYMBOL_PART_DIM "0" at 333.68,384.607 h0.64 r270
R185: PIN_NUMBER "1" at 321.107,382.143 h0.51 r90; PIN_NUMBER "2" at 321.107,381.127 h0.51 r90; ASSEMBLY_BOTTOM "20K" at 321.31,381.635 h0.64 r90; ASSEMBLY_BOTTOM "TOLERANCE" at 323.85,381.635 h0.64 r90; ASSEMBLY_BOTTOM "USERPART#" at 325.12,381.635 h0.64 r90; SYMBOL_PART_DIM "PAD 35X32 OV" at 326.085,384.759 h0.64 r90; SYMBOL_PART_DIM "C402-35X32" at 324.815,384.759 h0.64 r90; SYMBOL_PART_DIM "0" at 323.444,381.838 h0.64 r90; SYMBOL_PART_DIM "0" at 321.64,383.972 h0.64 r90
R186: PIN_NUMBER "1" at 328.092,393.827 h0.51 r270; PIN_NUMBER "2" at 328.092,394.843 h0.51 r270; ASSEMBLY_BOTTOM "20K" at 328.295,394.335 h0.64 r270; ASSEMBLY_BOTTOM "TOLERANCE" at 325.755,394.335 h0.64 r270; ASSEMBLY_BOTTOM "USERPART#" at 324.485,394.335 h0.64 r270; SYMBOL_PART_DIM "PAD 35X32 OV" at 323.52,391.211 h0.64 r270; SYMBOL_PART_DIM "C402-35X32" at 324.79,391.211 h0.64 r270; SYMBOL_PART_DIM "0" at 326.161,394.132 h0.64 r270; SYMBOL_PART_DIM "0" at 327.965,391.998 h0.64 r270
R187: PIN_NUMBER "1" at 336.474,381.635 h0.51 r180; PIN_NUMBER "2" at 337.49,381.635 h0.51 r180; ASSEMBLY_BOTTOM "47K" at 337.185,381.635 h0.64 r180; ASSEMBLY_BOTTOM "TOLERANCE" at 337.185,384.175 h0.64 r180; ASSEMBLY_BOTTOM "USERPART#" at 337.185,385.445 h0.64 r180; SYMBOL_PART_DIM "PAD 35X32 OV" at 334.061,386.41 h0.64 r180; SYMBOL_PART_DIM "C402-35X32" at 334.061,385.14 h0.64 r180; SYMBOL_PART_DIM "0" at 336.982,383.769 h0.64 r180; SYMBOL_PART_DIM "0" at 334.848,381.965 h0.64 r180
R188: PIN_NUMBER "2" at 332.537,379.222 h0.51 r270; PIN_NUMBER "1" at 332.537,380.238 h0.51 r270; ASSEMBLY_TOP "330" at 332.74,379.73 h0.64 r270; ASSEMBLY_TOP "TOLERANCE" at 330.2,379.73 h0.64 r270; ASSEMBLY_TOP "USERPART#" at 328.93,379.73 h0.64 r270; SYMBOL_PART_DIM "PAD 35X32 OV" at 327.965,382.854 h0.64 r270; SYMBOL_PART_DIM "C402-35X32" at 329.235,382.854 h0.64 r270; SYMBOL_PART_DIM "0" at 330.606,379.933 h0.64 r270; SYMBOL_PART_DIM "0" at 332.41,382.067 h0.64 r270
R189: PIN_NUMBER "1" at 333.934,380.365 h0.51; PIN_NUMBER "2" at 334.95,380.365 h0.51; ASSEMBLY_TOP "10K" at 334.645,380.365 h0.64; ASSEMBLY_TOP "TOLERANCE" at 334.645,377.825 h0.64; ASSEMBLY_TOP "USERPART#" at 334.645,376.555 h0.64; SYMBOL_PART_DIM "PAD 35X32 OV" at 331.521,375.59 h0.64; SYMBOL_PART_DIM "C402-35X32" at 331.521,376.86 h0.64; SYMBOL_PART_DIM "0" at 334.442,378.231 h0.64; SYMBOL_PART_DIM "0" at 332.308,380.035 h0.64
R190: PIN_NUMBER "2" at 333.934,379.095 h0.51; PIN_NUMBER "1" at 334.95,379.095 h0.51; ASSEMBLY_BOTTOM "0" at 334.645,379.095 h0.64; ASSEMBLY_BOTTOM "TOLERANCE" at 334.645,376.555 h0.64; ASSEMBLY_BOTTOM "USERPART#" at 334.645,375.285 h0.64; SYMBOL_PART_DIM "PAD 35X32 OV" at 337.769,374.32 h0.64; SYMBOL_PART_DIM "C402-35X32" at 337.769,375.59 h0.64; SYMBOL_PART_DIM "0" at 334.848,376.961 h0.64; SYMBOL_PART_DIM "0" at 336.982,378.765 h0.64
R191: PIN_NUMBER "2" at 333.934,379.095 h0.51 r180; PIN_NUMBER "1" at 334.95,379.095 h0.51 r180; ASSEMBLY_TOP "0" at 334.645,379.095 h0.64 r180; ASSEMBLY_TOP "TOLERANCE" at 334.645,381.635 h0.64 r180; ASSEMBLY_TOP "USERPART#" at 334.645,382.905 h0.64 r180; SYMBOL_PART_DIM "PAD 35X32 OV" at 337.769,383.87 h0.64 r180; SYMBOL_PART_DIM "C402-35X32" at 337.769,382.6 h0.64 r180; SYMBOL_PART_DIM "0" at 334.848,381.229 h0.64 r180; SYMBOL_PART_DIM "0" at 336.982,379.425 h0.64 r180
R192: PIN_NUMBER "1" at 299.517,386.207 h0.51 r270; PIN_NUMBER "2" at 299.517,387.223 h0.51 r270; ASSEMBLY_BOTTOM "20K" at 299.72,386.715 h0.64 r270; ASSEMBLY_BOTTOM "TOLERANCE" at 297.18,386.715 h0.64 r270; ASSEMBLY_BOTTOM "USERPART#" at 295.91,386.715 h0.64 r270; SYMBOL_PART_DIM "PAD 35X32 OV" at 294.945,383.591 h0.64 r270; SYMBOL_PART_DIM "C402-35X32" at 296.215,383.591 h0.64 r270; SYMBOL_PART_DIM "0" at 297.586,386.512 h0.64 r270; SYMBOL_PART_DIM "0" at 299.39,384.378 h0.64 r270
R193: PIN_NUMBER "1" at 305.232,393.827 h0.51 r270; PIN_NUMBER "2" at 305.232,394.843 h0.51 r270; ASSEMBLY_BOTTOM "20K" at 305.435,394.335 h0.64 r270; ASSEMBLY_BOTTOM "TOLERANCE" at 302.895,394.335 h0.64 r270; ASSEMBLY_BOTTOM "USERPART#" at 301.625,394.335 h0.64 r270; SYMBOL_PART_DIM "PAD 35X32 OV" at 300.66,391.211 h0.64 r270; SYMBOL_PART_DIM "C402-35X32" at 301.93,391.211 h0.64 r270; SYMBOL_PART_DIM "0" at 303.301,394.132 h0.64 r270; SYMBOL_PART_DIM "0" at 305.105,391.998 h0.64 r270
R194: PIN_NUMBER "2" at 319.837,361.823 h0.51 r90; PIN_NUMBER "1" at 319.837,360.807 h0.51 r90; ASSEMBLY_TOP "10" at 320.04,361.315 h0.64 r90; ASSEMBLY_TOP "TOLERANCE" at 322.58,361.315 h0.64 r90; ASSEMBLY_TOP "USERPART#" at 323.85,361.315 h0.64 r90; SYMBOL_PART_DIM "PAD 35X32 OV" at 324.815,358.191 h0.64 r90; SYMBOL_PART_DIM "C402-35X32" at 323.545,358.191 h0.64 r90; SYMBOL_PART_DIM "0" at 322.174,361.112 h0.64 r90; SYMBOL_PART_DIM "0" at 320.37,358.978 h0.64 r90
R195: PIN_NUMBER "2" at 321.107,361.823 h0.51 r90; PIN_NUMBER "1" at 321.107,360.807 h0.51 r90; ASSEMBLY_TOP "10" at 321.31,361.315 h0.64 r90; ASSEMBLY_TOP "TOLERANCE" at 323.85,361.315 h0.64 r90; ASSEMBLY_TOP "USERPART#" at 325.12,361.315 h0.64 r90; SYMBOL_PART_DIM "PAD 35X32 OV" at 326.085,358.191 h0.64 r90; SYMBOL_PART_DIM "C402-35X32" at 324.815,358.191 h0.64 r90; SYMBOL_PART_DIM "0" at 323.444,361.112 h0.64 r90; SYMBOL_PART_DIM "0" at 321.64,358.978 h0.64 r90
R196: PIN_NUMBER "2" at 322.377,361.823 h0.51 r90; PIN_NUMBER "1" at 322.377,360.807 h0.51 r90; ASSEMBLY_TOP "10" at 322.58,361.315 h0.64 r90; ASSEMBLY_TOP "TOLERANCE" at 325.12,361.315 h0.64 r90; ASSEMBLY_TOP "USERPART#" at 326.39,361.315 h0.64 r90; SYMBOL_PART_DIM "PAD 35X32 OV" at 327.355,358.191 h0.64 r90; SYMBOL_PART_DIM "C402-35X32" at 326.085,358.191 h0.64 r90; SYMBOL_PART_DIM "0" at 324.714,361.112 h0.64 r90; SYMBOL_PART_DIM "0" at 322.91,358.978 h0.64 r90
R197: PIN_NUMBER "2" at 323.647,361.823 h0.51 r90; PIN_NUMBER "1" at 323.647,360.807 h0.51 r90; ASSEMBLY_TOP "10" at 323.85,361.315 h0.64 r90; ASSEMBLY_TOP "TOLERANCE" at 326.39,361.315 h0.64 r90; ASSEMBLY_TOP "USERPART#" at 327.66,361.315 h0.64 r90; SYMBOL_PART_DIM "PAD 35X32 OV" at 328.625,358.191 h0.64 r90; SYMBOL_PART_DIM "C402-35X32" at 327.355,358.191 h0.64 r90; SYMBOL_PART_DIM "0" at 325.984,361.112 h0.64 r90; SYMBOL_PART_DIM "0" at 324.18,358.978 h0.64 r90
R198: PIN_NUMBER "1" at 334.442,362.077 h0.51 r270; PIN_NUMBER "2" at 334.442,363.093 h0.51 r270; ASSEMBLY_BOTTOM "NO-POP" at 334.645,362.585 h0.64 r270; ASSEMBLY_BOTTOM "TOLERANCE" at 332.105,362.585 h0.64 r270; ASSEMBLY_BOTTOM "USERPART#" at 330.835,362.585 h0.64 r270; SYMBOL_PART_DIM "PAD 35X32 OV" at 329.87,359.461 h0.64 r270; SYMBOL_PART_DIM "C402-35X32" at 331.14,359.461 h0.64 r270; SYMBOL_PART_DIM "0" at 332.511,362.382 h0.64 r270; SYMBOL_PART_DIM "0" at 334.315,360.248 h0.64 r270
R199: PIN_NUMBER "1" at 333.172,362.077 h0.51 r270; PIN_NUMBER "2" at 333.172,363.093 h0.51 r270; ASSEMBLY_BOTTOM "NO-POP" at 333.375,362.585 h0.64 r270; ASSEMBLY_BOTTOM "TOLERANCE" at 330.835,362.585 h0.64 r270; ASSEMBLY_BOTTOM "USERPART#" at 329.565,362.585 h0.64 r270; SYMBOL_PART_DIM "PAD 35X32 OV" at 328.6,359.461 h0.64 r270; SYMBOL_PART_DIM "C402-35X32" at 329.87,359.461 h0.64 r270; SYMBOL_PART_DIM "0" at 331.241,362.382 h0.64 r270; SYMBOL_PART_DIM "0" at 333.045,360.248 h0.64 r270
R200: PIN_NUMBER "2" at 331.902,363.093 h0.51 r270; PIN_NUMBER "1" at 331.902,362.077 h0.51 r270; ASSEMBLY_BOTTOM "NO-POP" at 332.105,362.585 h0.64 r270; ASSEMBLY_BOTTOM "TOLERANCE" at 329.565,362.585 h0.64 r270; ASSEMBLY_BOTTOM "USERPART#" at 328.295,362.585 h0.64 r270; SYMBOL_PART_DIM "PAD 35X32 OV" at 327.33,359.461 h0.64 r270; SYMBOL_PART_DIM "C402-35X32" at 328.6,359.461 h0.64 r270; SYMBOL_PART_DIM "0" at 329.971,362.382 h0.64 r270; SYMBOL_PART_DIM "0" at 331.775,360.248 h0.64 r270
R201: PIN_NUMBER "2" at 330.632,363.093 h0.51 r90; PIN_NUMBER "1" at 330.632,362.077 h0.51 r90; ASSEMBLY_TOP "NO-POP" at 330.835,362.585 h0.64 r90; ASSEMBLY_TOP "TOLERANCE" at 333.375,362.585 h0.64 r90; ASSEMBLY_TOP "USERPART#" at 334.645,362.585 h0.64 r90; SYMBOL_PART_DIM "PAD 35X32 OV" at 335.61,359.461 h0.64 r90; SYMBOL_PART_DIM "C402-35X32" at 334.34,359.461 h0.64 r90; SYMBOL_PART_DIM "0" at 332.969,362.382 h0.64 r90; SYMBOL_PART_DIM "0" at 331.165,360.248 h0.64 r90
R202: PIN_NUMBER "1" at 322.377,361.823 h0.51 r90; PIN_NUMBER "2" at 322.377,360.807 h0.51 r90; ASSEMBLY_BOTTOM "20K" at 322.58,361.315 h0.64 r90; ASSEMBLY_BOTTOM "TOLERANCE" at 325.12,361.315 h0.64 r90; ASSEMBLY_BOTTOM "USERPART#" at 326.39,361.315 h0.64 r90; SYMBOL_PART_DIM "PAD 35X32 OV" at 327.355,364.439 h0.64 r90; SYMBOL_PART_DIM "C402-35X32" at 326.085,364.439 h0.64 r90; SYMBOL_PART_DIM "0" at 324.714,361.518 h0.64 r90; SYMBOL_PART_DIM "0" at 322.91,363.652 h0.64 r90
R203: PIN_NUMBER "1" at 324.917,360.807 h0.51 r90; PIN_NUMBER "2" at 324.917,361.823 h0.51 r90; ASSEMBLY_TOP "NO-POP" at 325.12,361.315 h0.64 r90; ASSEMBLY_TOP "TOLERANCE" at 327.66,361.315 h0.64 r90; ASSEMBLY_TOP "USERPART#" at 328.93,361.315 h0.64 r90; SYMBOL_PART_DIM "PAD 35X32 OV" at 329.895,358.191 h0.64 r90; SYMBOL_PART_DIM "C402-35X32" at 328.625,358.191 h0.64 r90; SYMBOL_PART_DIM "0" at 327.254,361.112 h0.64 r90; SYMBOL_PART_DIM "0" at 325.45,358.978 h0.64 r90
R204: PIN_NUMBER "1" at 334.442,363.093 h0.51 r270; PIN_NUMBER "2" at 334.442,362.077 h0.51 r270; ASSEMBLY_TOP "NO-POP" at 334.645,362.585 h0.64 r270; ASSEMBLY_TOP "TOLERANCE" at 332.105,362.585 h0.64 r270; ASSEMBLY_TOP "USERPART#" at 330.835,362.585 h0.64 r270; SYMBOL_PART_DIM "PAD 35X32 OV" at 329.87,365.709 h0.64 r270; SYMBOL_PART_DIM "C402-35X32" at 331.14,365.709 h0.64 r270; SYMBOL_PART_DIM "0" at 332.511,362.788 h0.64 r270; SYMBOL_PART_DIM "0" at 334.315,364.922 h0.64 r270
R205: PIN_NUMBER "1" at 333.172,363.093 h0.51 r270; PIN_NUMBER "2" at 333.172,362.077 h0.51 r270; ASSEMBLY_TOP "NO-POP" at 333.375,362.585 h0.64 r270; ASSEMBLY_TOP "TOLERANCE" at 330.835,362.585 h0.64 r270; ASSEMBLY_TOP "USERPART#" at 329.565,362.585 h0.64 r270; SYMBOL_PART_DIM "PAD 35X32 OV" at 328.6,365.709 h0.64 r270; SYMBOL_PART_DIM "C402-35X32" at 329.87,365.709 h0.64 r270; SYMBOL_PART_DIM "0" at 331.241,362.788 h0.64 r270; SYMBOL_PART_DIM "0" at 333.045,364.922 h0.64 r270
R206: PIN_NUMBER "1" at 331.902,363.093 h0.51 r270; PIN_NUMBER "2" at 331.902,362.077 h0.51 r270; ASSEMBLY_TOP "2K" at 332.105,362.585 h0.64 r270; ASSEMBLY_TOP "TOLERANCE" at 329.565,362.585 h0.64 r270; ASSEMBLY_TOP "USERPART#" at 328.295,362.585 h0.64 r270; SYMBOL_PART_DIM "PAD 35X32 OV" at 327.33,365.709 h0.64 r270; SYMBOL_PART_DIM "C402-35X32" at 328.6,365.709 h0.64 r270; SYMBOL_PART_DIM "0" at 329.971,362.788 h0.64 r270; SYMBOL_PART_DIM "0" at 331.775,364.922 h0.64 r270